# Altium PCB EBAZ4205扩展.PcbDoc (part 2 of 3)
Units mm, origin at the board's own origin, x right, y up, seen from the top; angles counter-clockwise.
Board outline 49.66 x 100.01 mm, 4 copper layers (Top Layer, Power1, Power2, Bottom Layer), stack 0.567 mm thick; 110 components, 105 nets, 505 pads, 287 vias.
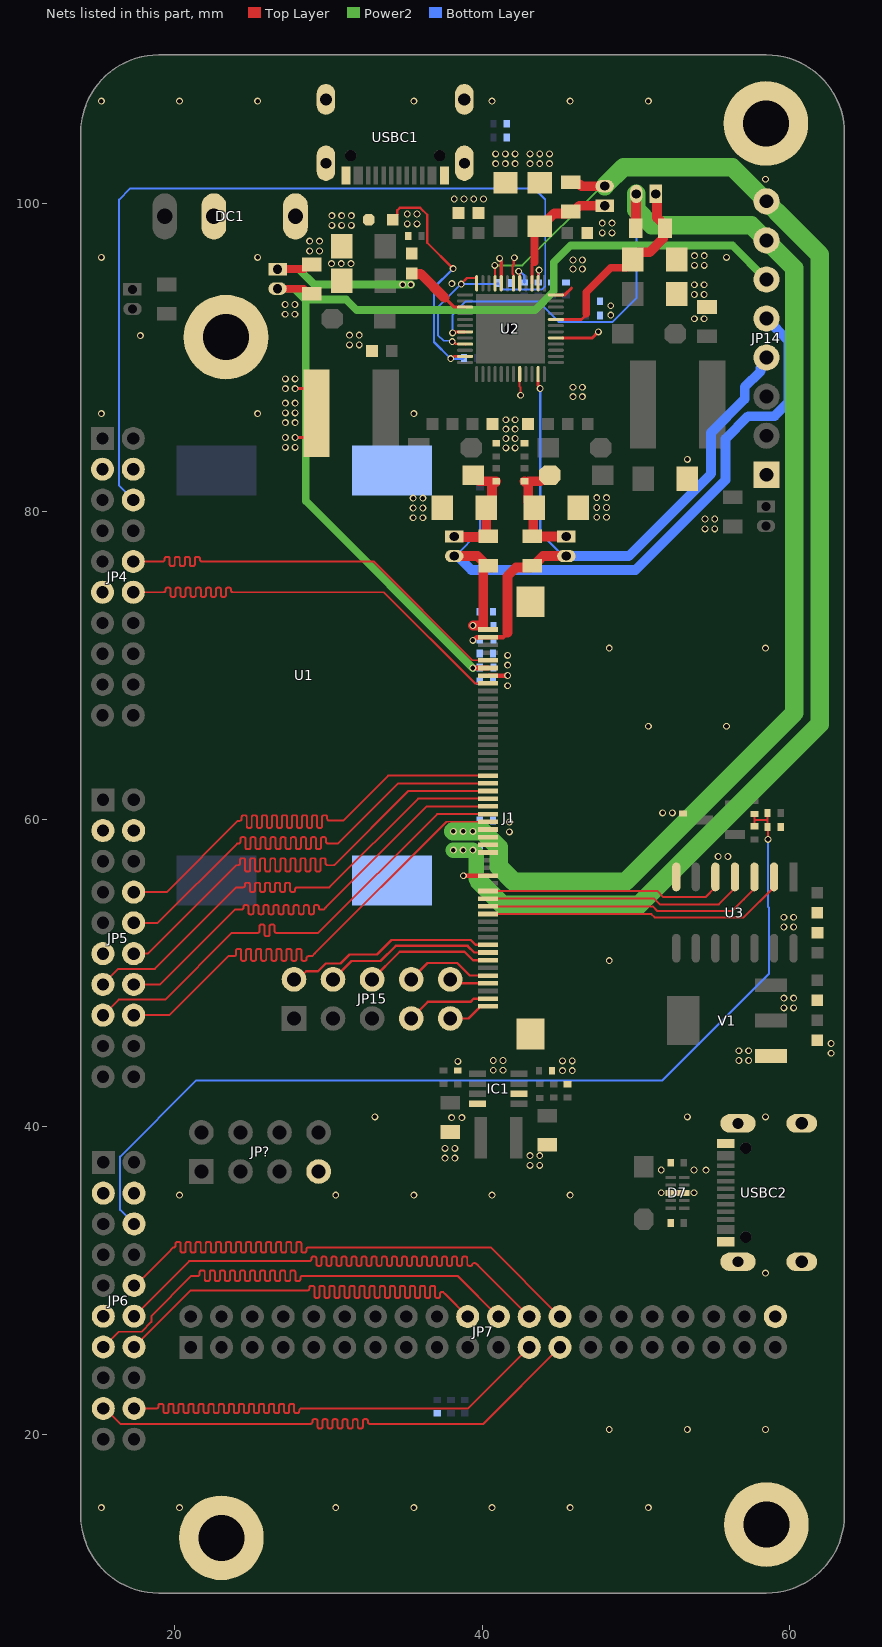
[diagram p4: the nets of this part, all layers, seen from the top]

## Via types
v1: diameter 0.45, hole 0.3, Top Layer to Bottom Layer, tented both sides, 287 vias

## Nets (pads, with @x,y where several pads share a name; then routed paths per layer and width w, separated by ;. In a path a pad name is that pad's centre, name@x,y a point inside that pad or via, vN(x,y) a via of type N, cw(c..) or ccw(c..) an arc to the next point about the centre after c; other vN are vias at no path point) (continued)
EPD_D11: J1.31 JP5.8 | length 38.3
  Top Layer w0.127: JP5.8@17.341,55.256 19.477,55.256 24.115,59.893 24.174,59.893 24.238,59.893 ccw(c24.238,60.02) 24.365,60.02 24.365,60.14 cw(c24.479,60.14) 24.479,60.254 24.577,60.254 cw(c24.577,60.14) 24.692,60.14 24.692,59.542 ccw(c24.806,59.542) 24.806,59.428 24.904,59.428 ccw(c24.904,59.542) 25.019,59.542 25.019,60.14 cw(c25.133,60.14) 25.133,60.254 25.231,60.254 cw(c25.231,60.14) 25.346,60.14 25.346,59.542 ccw(c25.46,59.542) 25.46,59.428 25.558,59.428 ccw(c25.558,59.542) 25.673,59.542 25.673,60.14 cw(c25.787,60.14) 25.787,60.254 25.885,60.254 cw(c25.885,60.14) 26,60.14 26,59.542 ccw(c26.114,59.542) 26.114,59.428 26.212,59.428 ccw(c26.212,59.542) 26.327,59.542 26.327,60.14 cw(c26.441,60.14) 26.441,60.254 26.539,60.254 cw(c26.539,60.14) 26.654,60.14 26.654,59.542 ccw(c26.768,59.542) 26.768,59.428 26.866,59.428 ccw(c26.866,59.542) 26.981,59.542 26.981,60.14 cw(c27.095,60.14) 27.095,60.254 27.193,60.254 cw(c27.193,60.14) 27.308,60.14 27.308,59.542 ccw(c27.422,59.542) 27.422,59.428 27.52,59.428 ccw(c27.52,59.542) 27.635,59.542 27.635,60.14 cw(c27.749,60.14) 27.749,60.254 27.847,60.254 cw(c27.847,60.14) 27.962,60.14 27.962,59.542 ccw(c28.076,59.542) 28.076,59.428 28.174,59.428 ccw(c28.174,59.542) 28.289,59.542 28.289,60.14 cw(c28.403,60.14) 28.403,60.254 28.501,60.254 cw(c28.501,60.14) 28.616,60.14 28.616,59.542 ccw(c28.73,59.542) 28.73,59.428 28.828,59.428 ccw(c28.828,59.542) 28.943,59.542 28.943,60.14 cw(c29.057,60.14) 29.057,60.254 29.155,60.254 cw(c29.155,60.14) 29.27,60.14 29.27,59.542 ccw(c29.384,59.542) 29.384,59.428 29.482,59.428 ccw(c29.482,59.542) 29.597,59.542 29.597,60.14 cw(c29.711,60.14) 29.711,60.254 29.809,60.254 cw(c29.809,60.14) 29.924,60.14 29.924,60.026 ccw(c30.051,60.026) 30.051,59.899 30.242,59.899 30.306,59.899 30.96,59.899 33.89,62.83 J1.31@40.392,62.83
EPD_D12: J1.30 JP5.10 | length 38.3
  Top Layer w0.127: JP5.10@17.341,53.256 18.906,53.256 24.065,58.415 24.092,58.415 24.156,58.415 ccw(c24.156,58.542) 24.283,58.542 24.283,58.715 cw(c24.397,58.715) 24.397,58.829 24.496,58.829 cw(c24.496,58.715) 24.61,58.715 24.61,58.164 ccw(c24.724,58.164) 24.724,58.05 24.823,58.05 ccw(c24.823,58.164) 24.937,58.164 24.937,58.715 cw(c25.051,58.715) 25.051,58.829 25.15,58.829 cw(c25.15,58.715) 25.264,58.715 25.264,58.164 ccw(c25.378,58.164) 25.378,58.05 25.477,58.05 ccw(c25.477,58.164) 25.591,58.164 25.591,58.715 cw(c25.705,58.715) 25.705,58.829 25.804,58.829 cw(c25.804,58.715) 25.918,58.715 25.918,58.164 ccw(c26.032,58.164) 26.032,58.05 26.131,58.05 ccw(c26.131,58.164) 26.245,58.164 26.245,58.715 cw(c26.359,58.715) 26.359,58.829 26.458,58.829 cw(c26.458,58.715) 26.572,58.715 26.572,58.164 ccw(c26.686,58.164) 26.686,58.05 26.785,58.05 ccw(c26.785,58.164) 26.899,58.164 26.899,58.715 cw(c27.013,58.715) 27.013,58.829 27.112,58.829 cw(c27.112,58.715) 27.226,58.715 27.226,58.164 ccw(c27.34,58.164) 27.34,58.05 27.439,58.05 ccw(c27.439,58.164) 27.553,58.164 27.553,58.715 cw(c27.667,58.715) 27.667,58.829 27.766,58.829 cw(c27.766,58.715) 27.88,58.715 27.88,58.164 ccw(c27.994,58.164) 27.994,58.05 28.093,58.05 ccw(c28.093,58.164) 28.207,58.164 28.207,58.715 cw(c28.321,58.715) 28.321,58.829 28.42,58.829 cw(c28.42,58.715) 28.534,58.715 28.534,58.164 ccw(c28.648,58.164) 28.648,58.05 28.747,58.05 ccw(c28.747,58.164) 28.861,58.164 28.861,58.715 cw(c28.975,58.715) 28.975,58.829 29.074,58.829 cw(c29.074,58.715) 29.188,58.715 29.188,58.164 ccw(c29.302,58.164) 29.302,58.05 29.401,58.05 ccw(c29.401,58.164) 29.515,58.164 29.515,58.715 cw(c29.629,58.715) 29.629,58.829 29.728,58.829 cw(c29.728,58.715) 29.842,58.715 29.842,58.542 ccw(c29.969,58.542) 29.969,58.415 30.286,58.415 30.613,58.415 34.527,62.33 J1.30@40.392,62.33
EPD_D13: J1.29 JP5.12 | length 40.4
  Top Layer w0.127: JP5.12@17.341,51.256 18.247,51.256 23.995,57.004 24.067,57.004 24.13,57.004 ccw(c24.13,57.131) 24.257,57.131 24.257,57.344 cw(c24.372,57.344) 24.372,57.458 24.47,57.458 cw(c24.47,57.344) 24.584,57.344 24.584,56.709 ccw(c24.699,56.709) 24.699,56.594 24.797,56.594 ccw(c24.797,56.709) 24.911,56.709 24.911,57.344 cw(c25.026,57.344) 25.026,57.458 25.124,57.458 cw(c25.124,57.344) 25.238,57.344 25.238,56.709 ccw(c25.353,56.709) 25.353,56.594 25.451,56.594 ccw(c25.451,56.709) 25.565,56.709 25.565,57.344 cw(c25.68,57.344) 25.68,57.458 25.778,57.458 cw(c25.778,57.344) 25.892,57.344 25.892,56.709 ccw(c26.007,56.709) 26.007,56.594 26.105,56.594 ccw(c26.105,56.709) 26.219,56.709 26.219,57.344 cw(c26.334,57.344) 26.334,57.458 26.432,57.458 cw(c26.432,57.344) 26.546,57.344 26.546,56.709 ccw(c26.661,56.709) 26.661,56.594 26.759,56.594 ccw(c26.759,56.709) 26.873,56.709 26.873,57.344 cw(c26.988,57.344) 26.988,57.458 27.086,57.458 cw(c27.086,57.344) 27.2,57.344 27.2,56.709 ccw(c27.315,56.709) 27.315,56.594 27.413,56.594 ccw(c27.413,56.709) 27.527,56.709 27.527,57.344 cw(c27.642,57.344) 27.642,57.458 27.74,57.458 cw(c27.74,57.344) 27.854,57.344 27.854,56.709 ccw(c27.969,56.709) 27.969,56.594 28.067,56.594 ccw(c28.067,56.709) 28.181,56.709 28.181,57.344 cw(c28.296,57.344) 28.296,57.458 28.394,57.458 cw(c28.394,57.344) 28.508,57.344 28.508,56.709 ccw(c28.623,56.709) 28.623,56.594 28.721,56.594 ccw(c28.721,56.709) 28.835,56.709 28.835,57.344 cw(c28.95,57.344) 28.95,57.458 29.048,57.458 cw(c29.048,57.344) 29.162,57.344 29.162,56.709 ccw(c29.277,56.709) 29.277,56.594 29.375,56.594 ccw(c29.375,56.709) 29.489,56.709 29.489,57.344 cw(c29.604,57.344) 29.604,57.458 29.702,57.458 cw(c29.702,57.344) 29.816,57.344 29.816,57.131 ccw(c29.943,57.131) 29.943,57.004 30.365,57.004 30.367,57.006 35.191,61.83 J1.29@40.392,61.83
EPD_D14: J1.28 JP5.13 | length 35
  Top Layer w0.127: JP5.13@15.341,49.256 16.345,50.26 18.719,50.26 24.025,55.566 24.381,55.566 24.445,55.566 ccw(c24.445,55.693) 24.572,55.693 24.572,55.751 cw(c24.686,55.751) 24.686,55.866 24.784,55.866 cw(c24.784,55.751) 24.899,55.751 24.899,55.38 ccw(c25.013,55.38) 25.013,55.266 25.111,55.266 ccw(c25.111,55.38) 25.226,55.38 25.226,55.751 cw(c25.34,55.751) 25.34,55.866 25.438,55.866 cw(c25.438,55.751) 25.553,55.751 25.553,55.38 ccw(c25.667,55.38) 25.667,55.266 25.765,55.266 ccw(c25.765,55.38) 25.88,55.38 25.88,55.751 cw(c25.994,55.751) 25.994,55.866 26.092,55.866 cw(c26.092,55.751) 26.207,55.751 26.207,55.38 ccw(c26.321,55.38) 26.321,55.266 26.419,55.266 ccw(c26.419,55.38) 26.534,55.38 26.534,55.751 cw(c26.648,55.751) 26.648,55.866 26.746,55.866 cw(c26.746,55.751) 26.861,55.751 26.861,55.38 ccw(c26.975,55.38) 26.975,55.266 27.073,55.266 ccw(c27.073,55.38) 27.188,55.38 27.188,55.751 cw(c27.302,55.751) 27.302,55.866 27.4,55.866 cw(c27.4,55.751) 27.515,55.751 27.515,55.38 ccw(c27.629,55.38) 27.629,55.266 27.727,55.266 ccw(c27.727,55.38) 27.842,55.38 27.842,55.439 cw(c27.969,55.439) 27.969,55.566 28.188,55.566 30.066,55.566 35.83,61.33 J1.28@40.392,61.33
EPD_D15: J1.27 JP5.14 | length 35.3
  Top Layer w0.127: JP5.14@17.341,49.256 19.064,49.256 23.923,54.114 24.284,54.114 24.348,54.114 ccw(c24.348,54.241) 24.475,54.241 24.475,54.3 cw(c24.589,54.3) 24.589,54.414 24.687,54.414 cw(c24.687,54.3) 24.802,54.3 24.802,53.929 ccw(c24.916,53.929) 24.916,53.814 25.014,53.814 ccw(c25.014,53.929) 25.129,53.929 25.129,54.3 cw(c25.243,54.3) 25.243,54.414 25.341,54.414 cw(c25.341,54.3) 25.456,54.3 25.456,53.929 ccw(c25.57,53.929) 25.57,53.814 25.668,53.814 ccw(c25.668,53.929) 25.783,53.929 25.783,54.3 cw(c25.897,54.3) 25.897,54.414 25.995,54.414 cw(c25.995,54.3) 26.11,54.3 26.11,53.929 ccw(c26.224,53.929) 26.224,53.814 26.322,53.814 ccw(c26.322,53.929) 26.437,53.929 26.437,54.3 cw(c26.551,54.3) 26.551,54.414 26.649,54.414 cw(c26.649,54.3) 26.764,54.3 26.764,53.929 ccw(c26.878,53.929) 26.878,53.814 26.976,53.814 ccw(c26.976,53.929) 27.091,53.929 27.091,54.3 cw(c27.205,54.3) 27.205,54.414 27.303,54.414 cw(c27.303,54.3) 27.418,54.3 27.418,53.929 ccw(c27.532,53.929) 27.532,53.814 27.63,53.814 ccw(c27.63,53.929) 27.745,53.929 27.745,54.3 cw(c27.859,54.3) 27.859,54.414 27.957,54.414 cw(c27.957,54.3) 28.072,54.3 28.072,53.929 ccw(c28.186,53.929) 28.186,53.814 28.284,53.814 ccw(c28.284,53.929) 28.399,53.929 28.399,54.3 cw(c28.513,54.3) 28.513,54.414 28.611,54.414 cw(c28.611,54.3) 28.726,54.3 28.726,53.929 ccw(c28.84,53.929) 28.84,53.814 28.938,53.814 ccw(c28.938,53.929) 29.053,53.929 29.053,54.3 cw(c29.167,54.3) 29.167,54.414 29.265,54.414 cw(c29.265,54.3) 29.38,54.3 29.38,54.241 ccw(c29.507,54.241) 29.507,54.114 29.69,54.114 29.834,54.259 36.405,60.83 J1.27@40.392,60.83
EPD_KB_SCL: J1.7 JP15.6 | length 8.5
  Top Layer w0.152: JP15.6@32.842,49.581 34.637,51.375 38.852,51.375 39.398,50.83 J1.7@40.392,50.83
EPD_KB_SDA: J1.5 JP15.8 | length 5.8
  Top Layer w0.152: JP15.8@35.382,49.581 36.444,50.642 38.382,50.642 39.194,49.83 J1.5@40.392,49.83
EPD_KB_TP_INT_N: J1.9 JP15.2 | length 13.8
  Top Layer w0.152: JP15.2@27.762,49.581 28.043,49.581 28.567,50.104 29.316,50.104 29.831,50.619 30.783,50.619 31.368,51.204 33.168,51.204 34.104,52.141 39.254,52.141 39.565,51.83 J1.9@40.392,51.83
EPD_KB_TP_RST_N: J1.8 JP15.4 | length 11.2
  Top Layer w0.152: JP15.4@30.302,49.581 31.502,50.781 33.395,50.781 34.376,51.762 39.053,51.762 39.485,51.33 J1.8@40.392,51.33
EPD_KB_TP_STOP: J1.4 JP15.10 | length 2.6
  Top Layer w0.152: JP15.10@37.922,49.581 38.177,49.326 39.423,49.326 39.427,49.33 J1.4@40.392,49.33
EPD_PWR_EN: JP4.6 R32.1 U2.12 U2.21 | length 67.1
  Top Layer w0.152: v1(38.055,91.047) 38.135,91.047 38.288,90.894 38.88,90.894 U2.21@38.889,90.885 ; v1(38.639,94.78) 38.639,94.806 39.015,95.181 39.618,95.181 39.639,95.159 U2.12@39.639,94.835
  Bottom Layer w0.127: JP4.6@17.316,80.751 16.39,81.677 16.39,100.281 17.099,100.99 43.393,100.99 44.098,100.285 44.098,94.658 43.871,94.431 41.409,94.431 41.033,94.807 R32.1@41.033,94.857 40.957,94.78 v1(38.639,94.78) 38.614,94.78 37.123,93.289 37.123,91.471 37.491,91.103 37.999,91.103 v1(38.055,91.047)
EPD_PWR_INT: R31.1 U2.2 | length 1.7
  Top Layer w0.152: U2.2@43.639,94.835 43.648,94.844 43.648,95.644 v1(43.697,95.692)
  Bottom Layer w0.152: R31.1@43.642,94.901 43.697,94.955 v1(43.697,95.692)
EPD_PWRGOOD: LED1.1 R30.1 U2.23 | length 15.9
  Top Layer w0.152: LED1.1@34.176,98.973 34.481,99.278 34.481,99.578 34.643,99.74 35.978,99.74 36.422,99.296 36.422,97.48 v1(38.106,95.796) ; v1(37.955,89.939) 38.035,89.939 38.181,90.085 U2.23@38.889,90.085
  Bottom Layer w0.152: v1@37.928,89.966 36.871,91.024 36.871,94.56 38.029,95.719 38.029,95.873 v1(38.106,95.796) ; v1(37.955,89.939) 38.751,89.939 38.808,89.996 R30.1@38.817,90.005
EPD_S_DIR: JP6.6 R34.1 R35.2 R36.2 R38.2 | length 64
  Top Layer w0.127: R36.2@57.706,59.536 57.706,59.941 ; R35.2@57.706,60.337 57.706,59.941 ; R34.1@58.559,60.394 58.549,60.385 58.549,59.941 ; v1(58.579,58.685) 58.579,59.465 58.553,59.491 58.553,59.938 58.549,59.941 ; 57.706,59.941 58.549,59.941
  Bottom Layer w0.127: JP6.6@17.366,33.684 16.453,34.598 16.453,38.063 21.388,42.998 51.69,42.998 58.646,49.954 58.646,54.242 58.579,54.309 v1(58.579,58.685)
EPD_SPI_NCS: J1.16 U3.5 | length 15.9
  Top Layer w0.127: J1.16@40.392,55.33 51.385,55.33 51.785,54.929 54.517,54.929 55.162,55.574 U3.5@55.162,56.243
EPD_SPI_SCL: J1.15 U3.4 | length 17.4
  Top Layer w0.127: J1.15@40.392,54.83 51.185,54.83 51.557,54.458 55.389,54.458 56.432,55.501 U3.4@56.432,56.243
EPD_SPI_SDI: J1.14 U3.3 | length 18.8
  Top Layer w0.127: J1.14@40.392,54.33 51.078,54.33 51.379,54.028 56.254,54.028 57.013,54.787 57.702,55.476 U3.3@57.702,56.243
EPD_SPI_SDO: J1.13 U3.2 | length 20.1
  Top Layer w0.127: J1.13@40.392,53.83 50.999,53.83 51.213,53.616 57.003,53.616 58.972,55.584 U3.2@58.972,56.243
EPD_SPV: J1.46 JP4.10 | length 29.1
  Top Layer w0.127: JP4.10@17.316,76.751 19.165,76.751 19.229,76.751 ccw(c19.229,76.878) 19.356,76.878 19.356,76.936 cw(c19.47,76.936) 19.47,77.051 19.569,77.051 cw(c19.569,76.936) 19.683,76.936 19.683,76.565 ccw(c19.797,76.565) 19.797,76.451 19.896,76.451 ccw(c19.896,76.565) 20.01,76.565 20.01,76.936 cw(c20.124,76.936) 20.124,77.051 20.223,77.051 cw(c20.223,76.936) 20.337,76.936 20.337,76.565 ccw(c20.451,76.565) 20.451,76.451 20.55,76.451 ccw(c20.55,76.565) 20.664,76.565 20.664,76.936 cw(c20.778,76.936) 20.778,77.051 20.877,77.051 cw(c20.877,76.936) 20.991,76.936 20.991,76.565 ccw(c21.105,76.565) 21.105,76.451 21.204,76.451 ccw(c21.204,76.565) 21.318,76.565 21.318,76.936 cw(c21.432,76.936) 21.432,77.051 21.531,77.051 cw(c21.531,76.936) 21.645,76.936 21.645,76.878 ccw(c21.772,76.878) 21.772,76.751 22.105,76.751 25.04,76.751 32.947,76.751 39.368,70.33 J1.46@40.392,70.33
EPD_VCOM: C19.2 J1.45 JP13.2 JP14.6 R18.2 R19.1 | length 67.9
  Top Layer w0.3: v1(39.394,69.825) 39.398,69.83 J1.45@40.392,69.83
  Top Layer w0.508: JP13.2@26.695,94.488 28.389,94.488 28.715,94.163 R18.2@28.905,94.163
  Power2 w0.508: JP13.2@26.695,94.488 27.795,94.488 28.507,93.776 ; v1(39.394,69.825) 28.527,80.692 28.527,93.756 28.507,93.776 ; JP14.6@58.477,95.088 56.263,97.301 45.754,97.301 44.656,96.203 44.656,94.322 43.43,93.096 31.839,93.096 31.159,93.776 28.507,93.776
EPD_VCOM_T: C30.1 JP13.1 R18.1 U2.15 | length 15.8
  Top Layer w0.2: 37.565,93.893 37.575,93.893 38.183,93.285 U2.15@38.889,93.285
  Top Layer w0.508: JP13.1@26.695,95.758 28.41,95.758 28.715,96.063 R18.1@28.905,96.063
  Top Layer w0.635: C30.1@35.439,95.488 35.477,95.449 36.009,95.449 37.565,93.894
  Power2 w0.508: JP13.1@26.695,95.758 28.078,95.758 29.081,94.755 v1(34.829,94.755) v1(35.362,94.755)
EPD_VEE_-20V: C13.2 J1.50 JP10.2 JP14.5 R14.2 R17.1 R33.2 | length 46.1
  Top Layer w0.635: JP10.2@38.182,77.102 39.702,77.102 40.074,76.73 40.074,76.609 R14.2@40.201,76.482 ; v1(39.395,72.593) 39.996,72.593 40.074,72.515 40.074,76.355 40.201,76.482 R14.2@40.392,76.482 40.478,76.482 R14.2@40.605,76.355
  Bottom Layer w0.127: JP10.2@38.182,77.102 38.233,77.102 39.853,78.721 R33.2@39.853,80.728
  Bottom Layer w0.152: JP10.2@38.233,77.102 JP10.2@38.382,77.102
  Bottom Layer w0.635: JP10.2@38.382,77.102 39.294,76.19 49.969,76.19 55.821,82.043 55.821,84.727 57.289,86.196 58.997,86.196 59.91,87.109 59.91,91.101 58.477,92.534 JP14.5@58.477,92.548
EPD_VEE_-20V_T: C21.1 D6.1 JP10.1 R14.1 R21.1 | length 8.1
  Top Layer w0.635: JP10.1@38.182,78.372 38.208,78.346 40.165,78.346 40.201,78.382 R14.1@40.384,78.382 ; D6.1@39.407,82.36 39.799,81.967 R21.1@40.918,81.967 40.638,81.688 40.638,81.369 40.638,80.092 C21.1@40.468,79.921 ; C21.1@40.257,80.252 40.257,78.509 R14.1@40.384,78.382 ; R14.1@40.392,78.382 R14.1@40.384,78.382
EPD_VGG_+22V: C8.2 J1.49 JP9.2 JP14.4 R12.2 R13.1 U2.35 | length 43.5
  Top Layer w0.2: U2.35@43.64,88.506 43.64,88.196 43.77,88.066 v1(43.77,87.999)
  Top Layer w0.3: v1(39.395,71.628) 39.436,71.628 39.638,71.83 J1.49@40.392,71.83 41.351,71.83 41.638,72.118
  Top Layer w0.635: 41.638,72.118 41.638,75.794 42.2,76.355 43.135,76.355 R12.2@43.262,76.482 43.452,76.482 43.579,76.609 43.579,76.73 43.951,77.102 JP9.2@45.472,77.102
  Bottom Layer w0.152: v1(43.77,87.999) 43.77,78.604 45.272,77.102 JP9.2@45.472,77.102
  Bottom Layer w0.635: JP9.2@45.472,77.102 49.534,77.102 54.883,82.451 54.883,85.122 57.066,87.305 57.066,88.093 58.089,89.116 58.089,89.333 58.477,89.72 JP14.4@58.477,90.008
EPD_VGG_+22V_T: C20.2 D3.2 JP9.1 R12.1 R20.1 | length 7.6
  Top Layer w0.635: R20.1@42.747,81.967 43.001,81.713 43.001,81.369 43.001,80.614 C20.2@43.313,80.302 ; 43.001,81.967 43.81,81.967 44.203,82.36 D3.2@44.398,82.36 ; C20.2@43.382,80.252 43.322,80.192 43.322,78.442 R12.1@43.262,78.382 43.267,78.377 45.467,78.377 JP9.1@45.472,78.372
EPD_VNEG_-15V: C29.2 J1.21 J1.22 JP12.2 JP14.8 R16.2 R27.1 U2.9 | length 91.1
  Top Layer w0.152: v1(40.814,96.008) 40.83,95.992 40.83,94.844 U2.9@40.839,94.835
  Top Layer w0.63: R16.2@45.751,101.405 45.881,101.275 46.321,101.275 46.44,101.156 JP12.2@47.961,101.156
  Power2 w0.127: v1(40.814,96.008) 42.613,96.008 JP12.2@47.761,101.156
  Power2 w1: v1(38.125,57.988) v1(38.76,57.988) v1(39.395,57.988) 39.62,57.764 39.62,56.133 39.814,55.939
  Power2 w1.2: 39.814,55.939 41.319,54.434 50.198,54.434 61.948,66.184 61.948,96.697 56.25,102.395 49.2,102.395 JP12.2@47.961,101.156
EPD_VNEG_-15V_T: C26.1 JP12.1 R16.1 U2.3 | length 8.7
  Top Layer w0.2: U2.3@43.239,94.835 43.239,96.053 43.392,96.206
  Top Layer w0.508: 43.392,96.206 43.392,98.181 C26.1@43.744,98.533
  Top Layer w0.63: C26.1@43.744,98.533 43.833,98.533 44.675,99.375 45.622,99.375 R16.1@45.751,99.505 45.942,99.505 46.323,99.886 JP12.1@47.961,99.886
EPD_VPOS_+15V: C24.2 J1.23 J1.24 JP11.2 JP14.7 R15.2 R24.1 U2.19 | length 95.1
  Top Layer w0.2: v1(38.074,91.611) 38.141,91.611 38.214,91.684 U2.19@38.889,91.684
  Top Layer w0.635: R15.2@49.983,98.413 50,98.43 50,100.63 JP11.2@50.018,100.648
  Power2 w1.2: v1(38.125,59.207) v1(38.76,59.207) v1(39.395,59.207) 40.023,59.207 41.071,58.159 41.071,56.92 42.056,55.934 49.311,55.934 60.298,66.921 60.298,95.807 JP14.7@58.477,97.628 57.482,98.623 51.013,98.623 50.018,99.618 JP11.2@50.018,100.648
  Bottom Layer w0.127: v1(38.074,91.611) 38.074,92.792 38.944,93.663 43.643,93.663 44.971,92.335 48.474,92.335 50.018,93.879 JP11.2@50.018,100.648
EPD_VPOS_+15V_T: C25.2 JP11.1 R15.1 U2.44 | length 13.3
  Top Layer w0.2: U2.44@44.79,92.485 46.453,92.485 46.767,92.799 46.767,92.869
  Top Layer w0.508: 46.767,92.869 46.767,94.247 48.367,95.847 49.343,95.847 49.787,96.292 C25.2@49.787,96.381
  Top Layer w0.635: C25.2@49.787,96.381 49.787,96.469 50.168,96.85 50.869,96.85 51.756,97.737 51.756,98.286 R15.1@51.883,98.413 51.883,98.603 51.756,98.73 51.743,98.73 51.371,99.102 51.371,100.565 JP11.1@51.288,100.648
EPD_WAKEUP: R28.1 U2.5 | length 1.7
  Top Layer w0.152: v1(42.373,95.619) 42.373,95.538 42.43,95.48 42.43,94.844 U2.5@42.439,94.835
  Bottom Layer w0.152: v1(42.373,95.619) 42.453,95.619 42.715,95.357 42.728,95.357 R28.1@42.728,94.901
EPD_XCL: J1.43 JP4.12 | length 31.9
  Top Layer w0.127: JP4.12@17.316,74.751 19.224,74.751 19.287,74.751 ccw(c19.287,74.878) 19.414,74.878 19.414,74.936 cw(c19.529,74.936) 19.529,75.051 19.627,75.051 cw(c19.627,74.936) 19.741,74.936 19.741,74.565 ccw(c19.856,74.565) 19.856,74.451 19.954,74.451 ccw(c19.954,74.565) 20.068,74.565 20.068,74.936 cw(c20.183,74.936) 20.183,75.051 20.281,75.051 cw(c20.281,74.936) 20.395,74.936 20.395,74.565 ccw(c20.51,74.565) 20.51,74.451 20.608,74.451 ccw(c20.608,74.565) 20.722,74.565 20.722,74.936 cw(c20.837,74.936) 20.837,75.051 20.935,75.051 cw(c20.935,74.936) 21.049,74.936 21.049,74.565 ccw(c21.164,74.565) 21.164,74.451 21.262,74.451 ccw(c21.262,74.565) 21.376,74.565 21.376,74.936 cw(c21.491,74.936) 21.491,75.051 21.589,75.051 cw(c21.589,74.936) 21.703,74.936 21.703,74.565 ccw(c21.818,74.565) 21.818,74.451 21.916,74.451 ccw(c21.916,74.565) 22.03,74.565 22.03,74.936 cw(c22.145,74.936) 22.145,75.051 22.243,75.051 cw(c22.243,74.936) 22.357,74.936 22.357,74.565 ccw(c22.472,74.565) 22.472,74.451 22.57,74.451 ccw(c22.57,74.565) 22.684,74.565 22.684,74.936 cw(c22.799,74.936) 22.799,75.051 22.897,75.051 cw(c22.897,74.936) 23.011,74.936 23.011,74.565 ccw(c23.126,74.565) 23.126,74.451 23.224,74.451 ccw(c23.224,74.565) 23.338,74.565 23.338,74.936 cw(c23.453,74.936) 23.453,75.051 23.551,75.051 cw(c23.551,74.936) 23.665,74.936 23.665,74.878 ccw(c23.792,74.878) 23.792,74.751 24.159,74.751 27.77,74.751 33.61,74.751 39.531,68.83 J1.43@40.392,68.83
EPD_XLE: J1.25 JP5.16 | length 37.7
  Top Layer w0.127: JP5.16@17.341,47.256 19.667,47.256 23.5,51.089 23.807,51.089 23.871,51.089 ccw(c23.871,51.216) 23.998,51.216 23.998,51.453 cw(c24.112,51.453) 24.112,51.568 24.21,51.568 cw(c24.21,51.453) 24.325,51.453 24.325,50.903 ccw(c24.439,50.903) 24.439,50.789 24.537,50.789 ccw(c24.537,50.903) 24.652,50.903 24.652,51.453 cw(c24.766,51.453) 24.766,51.568 24.864,51.568 cw(c24.864,51.453) 24.979,51.453 24.979,50.903 ccw(c25.093,50.903) 25.093,50.789 25.191,50.789 ccw(c25.191,50.903) 25.306,50.903 25.306,51.453 cw(c25.42,51.453) 25.42,51.568 25.518,51.568 cw(c25.518,51.453) 25.633,51.453 25.633,50.903 ccw(c25.747,50.903) 25.747,50.789 25.845,50.789 ccw(c25.845,50.903) 25.96,50.903 25.96,51.453 cw(c26.074,51.453) 26.074,51.568 26.172,51.568 cw(c26.172,51.453) 26.287,51.453 26.287,50.903 ccw(c26.401,50.903) 26.401,50.789 26.499,50.789 ccw(c26.499,50.903) 26.614,50.903 26.614,51.453 cw(c26.728,51.453) 26.728,51.568 26.826,51.568 cw(c26.826,51.453) 26.941,51.453 26.941,50.903 ccw(c27.055,50.903) 27.055,50.789 27.153,50.789 ccw(c27.153,50.903) 27.268,50.903 27.268,51.453 cw(c27.382,51.453) 27.382,51.568 27.48,51.568 cw(c27.48,51.453) 27.595,51.453 27.595,50.903 ccw(c27.709,50.903) 27.709,50.789 27.807,50.789 ccw(c27.807,50.903) 27.922,50.903 27.922,51.453 cw(c28.036,51.453) 28.036,51.568 28.134,51.568 cw(c28.134,51.453) 28.249,51.453 28.249,50.903 ccw(c28.363,50.903) 28.363,50.789 28.461,50.789 ccw(c28.461,50.903) 28.576,50.903 28.576,50.962 cw(c28.703,50.962) 28.703,51.089 28.938,51.089 29.123,51.273 37.679,59.83 J1.25@40.392,59.83
EPD_XSTL: J1.26 JP5.15 | length 32.7
  Top Layer w0.127: JP5.15@15.341,47.256 16.355,48.27 19.386,48.27 23.721,52.605 25.331,52.605 25.395,52.605 ccw(c25.395,52.732) 25.522,52.732 25.522,53.033 cw(c25.636,53.033) 25.636,53.147 25.734,53.147 cw(c25.734,53.033) 25.849,53.033 25.849,52.502 ccw(c25.963,52.502) 25.963,52.387 26.061,52.387 ccw(c26.061,52.502) 26.176,52.502 26.176,53.033 cw(c26.29,53.033) 26.29,53.147 26.388,53.147 cw(c26.388,53.033) 26.503,53.033 26.503,52.732 ccw(c26.63,52.732) 26.63,52.605 27.38,52.605 29.341,52.605 37.065,60.33 J1.26@40.392,60.33
FP_FIRE_INT_N: J1.1 JP15.9 | length 2.8
  Top Layer w0.152: JP15.9@37.922,47.041 39.103,47.041 39.818,47.756 39.892,47.83 J1.1@40.392,47.83
FP_LED_CTRL: J1.2 JP15.7 | length 5.5
  Top Layer w0.152: JP15.7@35.382,47.041 36.459,48.118 39.234,48.118 39.446,48.33 J1.2@40.392,48.33
GND: C2.1 C3.1 C4.1 C5.1 C6.2 C7.1 C8.1 C9.1 C10.2 C11.1 C12.2 C13.1 C14.1 C15.2 C16.1 C17.1 C18.2 C19.1 C20.1 C21.2 C24.1 C25.1 C26.2 C27.2 C28.2 C29.1 C30.2 C31.1 C32.1 C33.1 C34.2 D7.3-8 DC1.2 DC1.3 IC1.4 IC1.6 J1.18 J1.44 J1.MP1 J1.MP2 JP4.3 JP4.4 JP4.11 JP5.3 JP5.4 JP5.11 JP6.3 JP6.4 JP6.11 JP7.40 JP14.1 JP?.7 L3.2 LED1.2 pad.1 R1.2 R2.1 R6.1 R7.1 R10.1 R13.2 R17.2 R19.2 R22.2 R23.2 R24.2 R25.2 R26.2 R27.2 R29.2 R32.2 R37.2 R38.1 R39.2 R40.1 U1.2 U1.4 U2.6 U2.8 U2.32 U2.41 U2.48 U3.7 USBC1.0 USBC1.A1 USBC1.A12 USBC1.B1 USBC1.B12 USBC2.0 USBC2.A1 USBC2.A12 USBC2.B1 USBC2.B12 V1.1 | length 16
  Top Layer w0.127: U2.32@42.439,88.934 42.439,88.116 42.492,88.063 42.492,87.566 v1(42.502,87.557)
  Top Layer w0.152: U2.6@42.039,94.835 42.03,94.844 42.03,95.394 41.972,95.452 41.972,95.971 42.048,96.047 42.048,96.456 v1(42.091,96.5)
  Top Layer w0.2: v1(27.838,84.811) 28.476,84.811 29.226,85.561 L3.2@29.226,86.398 29.226,87.236 28.476,87.986 v1(27.838,87.986) ; v1(41.132,96.457) 41.132,96.39 41.239,96.282 U2.8@41.239,95.264 ; U2.48@44.79,94.085 45.366,94.085 45.801,94.52 ; U2.41@45.219,91.285 47.158,91.285 v1(47.554,91.682)
  Top Layer w0.3: v1(38.78,56.32) 38.79,56.33 J1.18@40.392,56.33 ; J1.44@40.392,69.33 41.644,69.33 v1(41.656,69.342)
  other v1: 15.24,15.24 20.32,15.24 30.48,15.24 35.56,15.24 40.64,15.24 45.72,15.24 50.8,15.24 48.26,20.32 53.34,20.32 58.42,20.32 58.42,30.48 20.32,35.56 30.48,35.56 35.56,35.56 40.64,35.56 45.72,35.56 51.638,35.712 53.772,35.712 51.638,37.186 53.77,37.187 54.547,37.185 43.104,37.49 43.739,37.49 37.583,37.963 38.218,37.963 43.104,38.125 43.739,38.125 37.583,38.598 38.218,38.598 38.014,40.591 38.679,40.591 33.02,40.64 53.34,40.64 58.42,40.64 40.719,43.673 41.354,43.673 45.218,43.654 45.853,43.654 38.422,44.248 40.719,44.308 41.354,44.308 45.218,44.289 45.853,44.289 56.686,44.309 57.321,44.309 62.686,44.78 56.686,44.944 57.321,44.944 62.686,45.415 59.614,47.727 60.249,47.727 59.614,48.362 60.249,48.362 48.26,50.8 59.614,52.984 60.249,52.984 59.614,53.619 60.249,53.619 55.341,57.568 55.976,57.568 41.767,59.178 41.767,59.813 51.73,60.407 52.365,60.407 50.8,66.04 55.88,66.04 41.654,68.673 41.658,70.011 41.658,70.646 48.26,71.12 58.42,71.12 54.481,78.876 55.116,78.876 54.481,79.511 55.116,79.511 35.509,79.596 36.144,79.596 47.447,79.629 48.082,79.629 35.509,80.231 36.144,80.231 47.447,80.264 48.082,80.264 35.509,80.866 36.144,80.866 47.447,80.899 48.082,80.899 53.34,83.388 41.535,84.138 42.144,84.138 27.203,84.176 27.838,84.176 41.535,84.747 42.144,84.747 27.203,84.811 41.535,85.357 42.144,85.357 27.203,85.776 27.838,85.776 41.535,85.967 42.144,85.967 15.24,86.36 25.4,86.36 35.56,86.36 27.203,86.411 27.838,86.411 27.203,87.046 27.838,87.046 45.9,87.472 46.51,87.472 27.203,87.986 45.9,88.081 46.51,88.081 27.203,88.621 27.838,88.621 31.369,90.83 32.004,90.83 17.78,91.44 31.369,91.465 32.004,91.465 53.797,92.532 54.432,92.532 48.358,92.768 27.189,92.828 27.824,92.828 48.358,93.378 27.189,93.463 27.824,93.463 53.797,94.107 54.432,94.107 53.797,94.742 54.432,94.742 38.024,94.818 45.903,95.767 46.513,95.767 53.803,96 54.438,96 30.201,96.114 30.836,96.114 31.471,96.114 45.903,96.355 46.513,96.355 15.24,96.52 25.4,96.52 55.88,96.52 53.803,96.635 54.438,96.635 28.784,96.939 29.419,96.939 28.784,97.574 29.419,97.574 47.804,98.112 48.439,98.112 30.226,98.603 30.861,98.603 31.496,98.603 35.128,98.704 35.763,98.704 47.804,98.747 48.439,98.747 30.226,99.238 30.861,99.238 31.496,99.238 35.128,99.339 35.763,99.339 38.182,100.318 38.817,100.318 39.452,100.318 40.087,100.318 58.42,101.6 40.869,102.616 41.504,102.616 42.139,102.616 43.104,102.616 43.739,102.616 44.374,102.616 40.869,103.251 41.504,103.251 42.139,103.251 43.104,103.251 43.739,103.251 44.374,103.251 15.24,106.68 20.32,106.68 25.4,106.68 35.56,106.68 40.64,106.68 45.72,106.68 50.8,106.68
HDMI2RGB_DE: JP6.14 JP7.20 | length 41.6
  Top Layer w0.127: JP6.14@17.366,25.684 21.043,29.361 28.571,29.361 28.634,29.361 ccw(c28.634,29.488) 28.761,29.488 28.761,29.546 cw(c28.876,29.546) 28.876,29.661 28.974,29.661 cw(c28.974,29.546) 29.088,29.546 29.088,28.989 ccw(c29.203,28.989) 29.203,28.875 29.301,28.875 ccw(c29.301,28.989) 29.415,28.989 29.415,29.546 cw(c29.53,29.546) 29.53,29.661 29.628,29.661 cw(c29.628,29.546) 29.742,29.546 29.742,28.989 ccw(c29.857,28.989) 29.857,28.875 29.955,28.875 ccw(c29.955,28.989) 30.069,28.989 30.069,29.546 cw(c30.184,29.546) 30.184,29.661 30.282,29.661 cw(c30.282,29.546) 30.396,29.546 30.396,28.989 ccw(c30.511,28.989) 30.511,28.875 30.609,28.875 ccw(c30.609,28.989) 30.723,28.989 30.723,29.546 cw(c30.838,29.546) 30.838,29.661 30.936,29.661 cw(c30.936,29.546) 31.05,29.546 31.05,28.989 ccw(c31.165,28.989) 31.165,28.875 31.263,28.875 ccw(c31.263,28.989) 31.377,28.989 31.377,29.546 cw(c31.492,29.546) 31.492,29.661 31.59,29.661 cw(c31.59,29.546) 31.704,29.546 31.704,28.989 ccw(c31.819,28.989) 31.819,28.875 31.917,28.875 ccw(c31.917,28.989) 32.031,28.989 32.031,29.546 cw(c32.146,29.546) 32.146,29.661 32.244,29.661 cw(c32.244,29.546) 32.358,29.546 32.358,28.989 ccw(c32.473,28.989) 32.473,28.875 32.571,28.875 ccw(c32.571,28.989) 32.685,28.989 32.685,29.546 cw(c32.8,29.546) 32.8,29.661 32.898,29.661 cw(c32.898,29.546) 33.012,29.546 33.012,28.989 ccw(c33.127,28.989) 33.127,28.875 33.225,28.875 ccw(c33.225,28.989) 33.339,28.989 33.339,29.546 cw(c33.454,29.546) 33.454,29.661 33.552,29.661 cw(c33.552,29.546) 33.666,29.546 33.666,28.989 ccw(c33.781,28.989) 33.781,28.875 33.879,28.875 ccw(c33.879,28.989) 33.993,28.989 33.993,29.546 cw(c34.108,29.546) 34.108,29.661 34.206,29.661 cw(c34.206,29.546) 34.32,29.546 34.32,28.989 ccw(c34.435,28.989) 34.435,28.875 34.533,28.875 ccw(c34.533,28.989) 34.647,28.989 34.647,29.546 cw(c34.762,29.546) 34.762,29.661 34.86,29.661 cw(c34.86,29.546) 34.974,29.546 34.974,28.989 ccw(c35.089,28.989) 35.089,28.875 35.187,28.875 ccw(c35.187,28.989) 35.301,28.989 35.301,29.546 cw(c35.416,29.546) 35.416,29.661 35.514,29.661 cw(c35.514,29.546) 35.628,29.546 35.628,28.989 ccw(c35.743,28.989) 35.743,28.875 35.841,28.875 ccw(c35.841,28.989) 35.955,28.989 35.955,29.546 cw(c36.07,29.546) 36.07,29.661 36.168,29.661 cw(c36.168,29.546) 36.282,29.546 36.282,28.989 ccw(c36.397,28.989) 36.397,28.875 36.495,28.875 ccw(c36.495,28.989) 36.609,28.989 36.609,29.546 cw(c36.724,29.546) 36.724,29.661 36.822,29.661 cw(c36.822,29.546) 36.936,29.546 36.936,28.989 ccw(c37.051,28.989) 37.051,28.875 37.149,28.875 ccw(c37.149,28.989) 37.263,28.989 37.263,29.147 cw(c37.39,29.147) 37.48,29.237 37.614,29.103 JP7.20@39.057,27.661
HDMI2RGB_HS: JP6.13 JP7.22 | length 40.6
  Top Layer w0.127: JP6.13@15.366,25.684 16.356,26.674 17.852,26.674 18.495,27.316 18.495,27.695 21.099,30.299 21.444,30.299 21.508,30.299 ccw(c21.508,30.426) 21.635,30.426 21.635,30.543 cw(c21.749,30.543) 21.749,30.658 21.847,30.658 cw(c21.847,30.543) 21.962,30.543 21.962,30.084 ccw(c22.076,30.084) 22.076,29.969 22.174,29.969 ccw(c22.174,30.084) 22.289,30.084 22.289,30.543 cw(c22.403,30.543) 22.403,30.658 22.501,30.658 cw(c22.501,30.543) 22.616,30.543 22.616,30.084 ccw(c22.73,30.084) 22.73,29.969 22.828,29.969 ccw(c22.828,30.084) 22.943,30.084 22.943,30.543 cw(c23.057,30.543) 23.057,30.658 23.155,30.658 cw(c23.155,30.543) 23.27,30.543 23.27,30.084 ccw(c23.384,30.084) 23.384,29.969 23.482,29.969 ccw(c23.482,30.084) 23.597,30.084 23.597,30.543 cw(c23.711,30.543) 23.711,30.658 23.809,30.658 cw(c23.809,30.543) 23.924,30.543 23.924,30.084 ccw(c24.038,30.084) 24.038,29.969 24.136,29.969 ccw(c24.136,30.084) 24.251,30.084 24.251,30.543 cw(c24.365,30.543) 24.365,30.658 24.463,30.658 cw(c24.463,30.543) 24.578,30.543 24.578,30.084 ccw(c24.692,30.084) 24.692,29.969 24.79,29.969 ccw(c24.79,30.084) 24.905,30.084 24.905,30.543 cw(c25.019,30.543) 25.019,30.658 25.117,30.658 cw(c25.117,30.543) 25.232,30.543 25.232,30.084 ccw(c25.346,30.084) 25.346,29.969 25.444,29.969 ccw(c25.444,30.084) 25.559,30.084 25.559,30.543 cw(c25.673,30.543) 25.673,30.658 25.771,30.658 cw(c25.771,30.543) 25.886,30.543 25.886,30.084 ccw(c26,30.084) 26,29.969 26.098,29.969 ccw(c26.098,30.084) 26.213,30.084 26.213,30.543 cw(c26.327,30.543) 26.327,30.658 26.425,30.658 cw(c26.425,30.543) 26.54,30.543 26.54,30.084 ccw(c26.654,30.084) 26.654,29.969 26.752,29.969 ccw(c26.752,30.084) 26.867,30.084 26.867,30.543 cw(c26.981,30.543) 26.981,30.658 27.079,30.658 cw(c27.079,30.543) 27.194,30.543 27.194,30.084 ccw(c27.308,30.084) 27.308,29.969 27.406,29.969 ccw(c27.406,30.084) 27.521,30.084 27.521,30.543 cw(c27.635,30.543) 27.635,30.658 27.733,30.658 cw(c27.733,30.543) 27.848,30.543 27.848,30.084 ccw(c27.962,30.084) 27.962,29.969 28.06,29.969 ccw(c28.06,30.084) 28.175,30.084 28.175,30.172 cw(c28.302,30.172) 28.302,30.299 28.779,30.299 29.158,30.299 38.099,30.291 38.426,30.291 JP7.22@41.057,27.661
HDMI2RGB_P8: JP6.18 JP7.23 | length 41.3
  Top Layer w0.127: JP6.18@17.366,21.684 18.759,21.684 18.822,21.684 ccw(c18.822,21.811) 18.949,21.811 18.949,21.87 cw(c19.064,21.87) 19.064,21.984 19.162,21.984 cw(c19.162,21.87) 19.276,21.87 19.276,21.499 ccw(c19.391,21.499) 19.391,21.384 19.489,21.384 ccw(c19.489,21.499) 19.603,21.499 19.603,21.87 cw(c19.718,21.87) 19.718,21.984 19.816,21.984 cw(c19.816,21.87) 19.93,21.87 19.93,21.499 ccw(c20.045,21.499) 20.045,21.384 20.143,21.384 ccw(c20.143,21.499) 20.257,21.499 20.257,21.87 cw(c20.372,21.87) 20.372,21.984 20.47,21.984 cw(c20.47,21.87) 20.584,21.87 20.584,21.499 ccw(c20.699,21.499) 20.699,21.384 20.797,21.384 ccw(c20.797,21.499) 20.911,21.499 20.911,21.87 cw(c21.026,21.87) 21.026,21.984 21.124,21.984 cw(c21.124,21.87) 21.238,21.87 21.238,21.499 ccw(c21.353,21.499) 21.353,21.384 21.451,21.384 ccw(c21.451,21.499) 21.565,21.499 21.565,21.87 cw(c21.68,21.87) 21.68,21.984 21.778,21.984 cw(c21.778,21.87) 21.892,21.87 21.892,21.499 ccw(c22.007,21.499) 22.007,21.384 22.105,21.384 ccw(c22.105,21.499) 22.219,21.499 22.219,21.87 cw(c22.334,21.87) 22.334,21.984 22.432,21.984 cw(c22.432,21.87) 22.546,21.87 22.546,21.499 ccw(c22.661,21.499) 22.661,21.384 22.759,21.384 ccw(c22.759,21.499) 22.873,21.499 22.873,21.87 cw(c22.988,21.87) 22.988,21.984 23.086,21.984 cw(c23.086,21.87) 23.2,21.87 23.2,21.499 ccw(c23.315,21.499) 23.315,21.384 23.413,21.384 ccw(c23.413,21.499) 23.527,21.499 23.527,21.87 cw(c23.642,21.87) 23.642,21.984 23.74,21.984 cw(c23.74,21.87) 23.854,21.87 23.854,21.499 ccw(c23.969,21.499) 23.969,21.384 24.067,21.384 ccw(c24.067,21.499) 24.181,21.499 24.181,21.87 cw(c24.296,21.87) 24.296,21.984 24.394,21.984 cw(c24.394,21.87) 24.508,21.87 24.508,21.499 ccw(c24.623,21.499) 24.623,21.384 24.721,21.384 ccw(c24.721,21.499) 24.835,21.499 24.835,21.87 cw(c24.95,21.87) 24.95,21.984 25.048,21.984 cw(c25.048,21.87) 25.162,21.87 25.162,21.499 ccw(c25.277,21.499) 25.277,21.384 25.375,21.384 ccw(c25.375,21.499) 25.489,21.499 25.489,21.87 cw(c25.604,21.87) 25.604,21.984 25.702,21.984 cw(c25.702,21.87) 25.816,21.87 25.816,21.499 ccw(c25.931,21.499) 25.931,21.384 26.029,21.384 ccw(c26.029,21.499) 26.143,21.499 26.143,21.87 cw(c26.258,21.87) 26.258,21.984 26.356,21.984 cw(c26.356,21.87) 26.47,21.87 26.47,21.499 ccw(c26.585,21.499) 26.585,21.384 26.683,21.384 ccw(c26.683,21.499) 26.797,21.499 26.797,21.87 cw(c26.912,21.87) 26.912,21.984 27.01,21.984 cw(c27.01,21.87) 27.124,21.87 27.124,21.499 ccw(c27.239,21.499) 27.239,21.384 27.337,21.384 ccw(c27.337,21.499) 27.451,21.499 27.451,21.87 cw(c27.566,21.87) 27.566,21.984 27.664,21.984 cw(c27.664,21.87) 27.778,21.87 27.778,21.499 ccw(c27.893,21.499) 27.893,21.384 27.991,21.384 ccw(c27.991,21.499) 28.105,21.499 28.105,21.557 cw(c28.232,21.557) 28.232,21.684 28.477,21.684 39.08,21.684 JP7.23@43.057,25.661
HDMI2RGB_P9: JP6.12 JP7.24 | length 44.4
  Top Layer w0.127: JP6.12@17.366,27.684 20.941,31.259 28.701,31.259 28.764,31.259 ccw(c28.764,31.386) 28.891,31.386 28.891,31.444 cw(c29.006,31.444) 29.006,31.559 29.104,31.559 cw(c29.104,31.444) 29.218,31.444 29.218,31.073 ccw(c29.333,31.073) 29.333,30.959 29.431,30.959 ccw(c29.431,31.073) 29.545,31.073 29.545,31.444 cw(c29.66,31.444) 29.66,31.559 29.758,31.559 cw(c29.758,31.444) 29.872,31.444 29.872,31.073 ccw(c29.987,31.073) 29.987,30.959 30.085,30.959 ccw(c30.085,31.073) 30.199,31.073 30.199,31.444 cw(c30.314,31.444) 30.314,31.559 30.412,31.559 cw(c30.412,31.444) 30.526,31.444 30.526,31.073 ccw(c30.641,31.073) 30.641,30.959 30.739,30.959 ccw(c30.739,31.073) 30.853,31.073 30.853,31.444 cw(c30.968,31.444) 30.968,31.559 31.066,31.559 cw(c31.066,31.444) 31.18,31.444 31.18,31.073 ccw(c31.295,31.073) 31.295,30.959 31.393,30.959 ccw(c31.393,31.073) 31.507,31.073 31.507,31.444 cw(c31.622,31.444) 31.622,31.559 31.72,31.559 cw(c31.72,31.444) 31.834,31.444 31.834,31.073 ccw(c31.949,31.073) 31.949,30.959 32.047,30.959 ccw(c32.047,31.073) 32.161,31.073 32.161,31.444 cw(c32.276,31.444) 32.276,31.559 32.374,31.559 cw(c32.374,31.444) 32.488,31.444 32.488,31.073 ccw(c32.603,31.073) 32.603,30.959 32.701,30.959 ccw(c32.701,31.073) 32.815,31.073 32.815,31.444 cw(c32.93,31.444) 32.93,31.559 33.028,31.559 cw(c33.028,31.444) 33.142,31.444 33.142,31.073 ccw(c33.257,31.073) 33.257,30.959 33.355,30.959 ccw(c33.355,31.073) 33.469,31.073 33.469,31.444 cw(c33.584,31.444) 33.584,31.559 33.682,31.559 cw(c33.682,31.444) 33.796,31.444 33.796,31.073 ccw(c33.911,31.073) 33.911,30.959 34.009,30.959 ccw(c34.009,31.073) 34.123,31.073 34.123,31.444 cw(c34.238,31.444) 34.238,31.559 34.336,31.559 cw(c34.336,31.444) 34.45,31.444 34.45,31.073 ccw(c34.565,31.073) 34.565,30.959 34.663,30.959 ccw(c34.663,31.073) 34.777,31.073 34.777,31.444 cw(c34.892,31.444) 34.892,31.559 34.99,31.559 cw(c34.99,31.444) 35.104,31.444 35.104,31.073 ccw(c35.219,31.073) 35.219,30.959 35.317,30.959 ccw(c35.317,31.073) 35.431,31.073 35.431,31.444 cw(c35.546,31.444) 35.546,31.559 35.644,31.559 cw(c35.644,31.444) 35.758,31.444 35.758,31.073 ccw(c35.873,31.073) 35.873,30.959 35.971,30.959 ccw(c35.971,31.073) 36.085,31.073 36.085,31.444 cw(c36.2,31.444) 36.2,31.559 36.298,31.559 cw(c36.298,31.444) 36.412,31.444 36.412,31.073 ccw(c36.527,31.073) 36.527,30.959 36.625,30.959 ccw(c36.625,31.073) 36.739,31.073 36.739,31.444 cw(c36.854,31.444) 36.854,31.559 36.952,31.559 cw(c36.952,31.444) 37.066,31.444 37.066,31.073 ccw(c37.181,31.073) 37.181,30.959 37.279,30.959 ccw(c37.279,31.073) 37.393,31.073 37.393,31.444 cw(c37.508,31.444) 37.508,31.559 37.606,31.559 cw(c37.606,31.444) 37.72,31.444 37.72,31.073 ccw(c37.835,31.073) 37.835,30.959 37.933,30.959 ccw(c37.933,31.073) 38.047,31.073 38.047,31.444 cw(c38.162,31.444) 38.162,31.559 38.26,31.559 cw(c38.26,31.444) 38.374,31.444 38.374,31.073 ccw(c38.489,31.073) 38.489,30.959 38.587,30.959 ccw(c38.587,31.073) 38.701,31.073 38.701,31.444 cw(c38.816,31.444) 38.816,31.559 38.914,31.559 cw(c38.914,31.444) 39.028,31.444 39.028,31.073 ccw(c39.143,31.073) 39.143,30.959 39.241,30.959 ccw(c39.241,31.073) 39.355,31.073 cw(c39.499,30.941) 39.638,31.08 39.655,31.062 ; 39.656,31.062 39.719,30.998 JP7.24@43.057,27.661
HDMI2RGB_P10: JP6.17 JP7.25 | length 37.6
  Top Layer w0.127: JP6.17@15.366,21.684 15.472,21.684 16.468,20.688 22.348,20.688 26.127,20.688 28.777,20.688 28.84,20.688 ccw(c28.84,20.815) 28.967,20.815 28.967,20.874 cw(c29.082,20.874) 29.082,20.988 29.18,20.988 cw(c29.18,20.874) 29.294,20.874 29.294,20.503 ccw(c29.409,20.503) 29.409,20.388 29.507,20.388 ccw(c29.507,20.503) 29.621,20.503 29.621,20.874 cw(c29.736,20.874) 29.736,20.988 29.834,20.988 cw(c29.834,20.874) 29.948,20.874 29.948,20.503 ccw(c30.063,20.503) 30.063,20.388 30.161,20.388 ccw(c30.161,20.503) 30.275,20.503 30.275,20.874 cw(c30.39,20.874) 30.39,20.988 30.488,20.988 cw(c30.488,20.874) 30.602,20.874 30.602,20.503 ccw(c30.717,20.503) 30.717,20.388 30.815,20.388 ccw(c30.815,20.503) 30.929,20.503 30.929,20.874 cw(c31.044,20.874) 31.044,20.988 31.142,20.988 cw(c31.142,20.874) 31.256,20.874 31.256,20.503 ccw(c31.371,20.503) 31.371,20.388 31.469,20.388 ccw(c31.469,20.503) 31.583,20.503 31.583,20.874 cw(c31.698,20.874) 31.698,20.988 31.796,20.988 cw(c31.796,20.874) 31.91,20.874 31.91,20.503 ccw(c32.025,20.503) 32.025,20.388 32.123,20.388 ccw(c32.123,20.503) 32.237,20.503 32.237,20.874 cw(c32.352,20.874) 32.352,20.988 32.45,20.988 cw(c32.45,20.874) 32.564,20.874 32.564,20.815 ccw(c32.691,20.815) 32.691,20.688 33.192,20.688 40.084,20.688 JP7.25@45.057,25.661
HDMI2RGB_P11: JP6.10 JP7.26 | length 45.8
  Top Layer w0.127: JP6.10@17.366,29.684 17.46,29.684 19.578,31.802 19.928,32.152 19.938,32.152 ccw(c19.938,32.279) 20.065,32.279 20.065,32.397 cw(c20.18,32.397) 20.18,32.511 20.278,32.511 cw(c20.278,32.397) 20.392,32.397 20.392,31.939 ccw(c20.507,31.939) 20.507,31.825 20.605,31.825 ccw(c20.605,31.939) 20.719,31.939 20.719,32.397 cw(c20.834,32.397) 20.834,32.511 20.932,32.511 cw(c20.932,32.397) 21.046,32.397 21.046,31.939 ccw(c21.161,31.939) 21.161,31.825 21.259,31.825 ccw(c21.259,31.939) 21.373,31.939 21.373,32.397 cw(c21.488,32.397) 21.488,32.511 21.586,32.511 cw(c21.586,32.397) 21.7,32.397 21.7,31.939 ccw(c21.815,31.939) 21.815,31.825 21.913,31.825 ccw(c21.913,31.939) 22.027,31.939 22.027,32.397 cw(c22.142,32.397) 22.142,32.511 22.24,32.511 cw(c22.24,32.397) 22.354,32.397 22.354,31.939 ccw(c22.469,31.939) 22.469,31.825 22.567,31.825 ccw(c22.567,31.939) 22.681,31.939 22.681,32.397 cw(c22.796,32.397) 22.796,32.511 22.894,32.511 cw(c22.894,32.397) 23.008,32.397 23.008,31.939 ccw(c23.123,31.939) 23.123,31.825 23.221,31.825 ccw(c23.221,31.939) 23.335,31.939 23.335,32.397 cw(c23.45,32.397) 23.45,32.511 23.548,32.511 cw(c23.548,32.397) 23.662,32.397 23.662,31.939 ccw(c23.777,31.939) 23.777,31.825 23.875,31.825 ccw(c23.875,31.939) 23.989,31.939 23.989,32.397 cw(c24.104,32.397) 24.104,32.511 24.202,32.511 cw(c24.202,32.397) 24.316,32.397 24.316,31.939 ccw(c24.431,31.939) 24.431,31.825 24.529,31.825 ccw(c24.529,31.939) 24.643,31.939 24.643,32.397 cw(c24.758,32.397) 24.758,32.511 24.856,32.511 cw(c24.856,32.397) 24.97,32.397 24.97,31.939 ccw(c25.085,31.939) 25.085,31.825 25.183,31.825 ccw(c25.183,31.939) 25.297,31.939 25.297,32.397 cw(c25.412,32.397) 25.412,32.511 25.51,32.511 cw(c25.51,32.397) 25.624,32.397 25.624,31.939 ccw(c25.739,31.939) 25.739,31.825 25.837,31.825 ccw(c25.837,31.939) 25.951,31.939 25.951,32.397 cw(c26.066,32.397) 26.066,32.511 26.164,32.511 cw(c26.164,32.397) 26.278,32.397 26.278,31.939 ccw(c26.393,31.939) 26.393,31.825 26.491,31.825 ccw(c26.491,31.939) 26.605,31.939 26.605,32.397 cw(c26.72,32.397) 26.72,32.511 26.818,32.511 cw(c26.818,32.397) 26.932,32.397 26.932,31.939 ccw(c27.047,31.939) 27.047,31.825 27.145,31.825 ccw(c27.145,31.939) 27.259,31.939 27.259,32.397 cw(c27.374,32.397) 27.374,32.511 27.472,32.511 cw(c27.472,32.397) 27.586,32.397 27.586,31.939 ccw(c27.701,31.939) 27.701,31.825 27.799,31.825 ccw(c27.799,31.939) 27.913,31.939 27.913,32.397 cw(c28.028,32.397) 28.028,32.511 28.126,32.511 cw(c28.126,32.397) 28.24,32.397 28.24,31.939 ccw(c28.355,31.939) 28.355,31.825 28.453,31.825 ccw(c28.453,31.939) 28.567,31.939 28.567,32.025 cw(c28.694,32.025) 28.694,32.152 28.758,32.152 40.565,32.152 JP7.26@45.057,27.661